# Altium PCB V3mycar.PcbDoc (part 2 of 4)
Units mil, origin at the board's own origin, x right, y up, seen from the top; angles counter-clockwise.
Board outline 5668.3 x 4141.25 mil, 2 copper layers (Top Layer, Bottom Layer); 227 components, 0 nets, 638 pads, 77 vias.
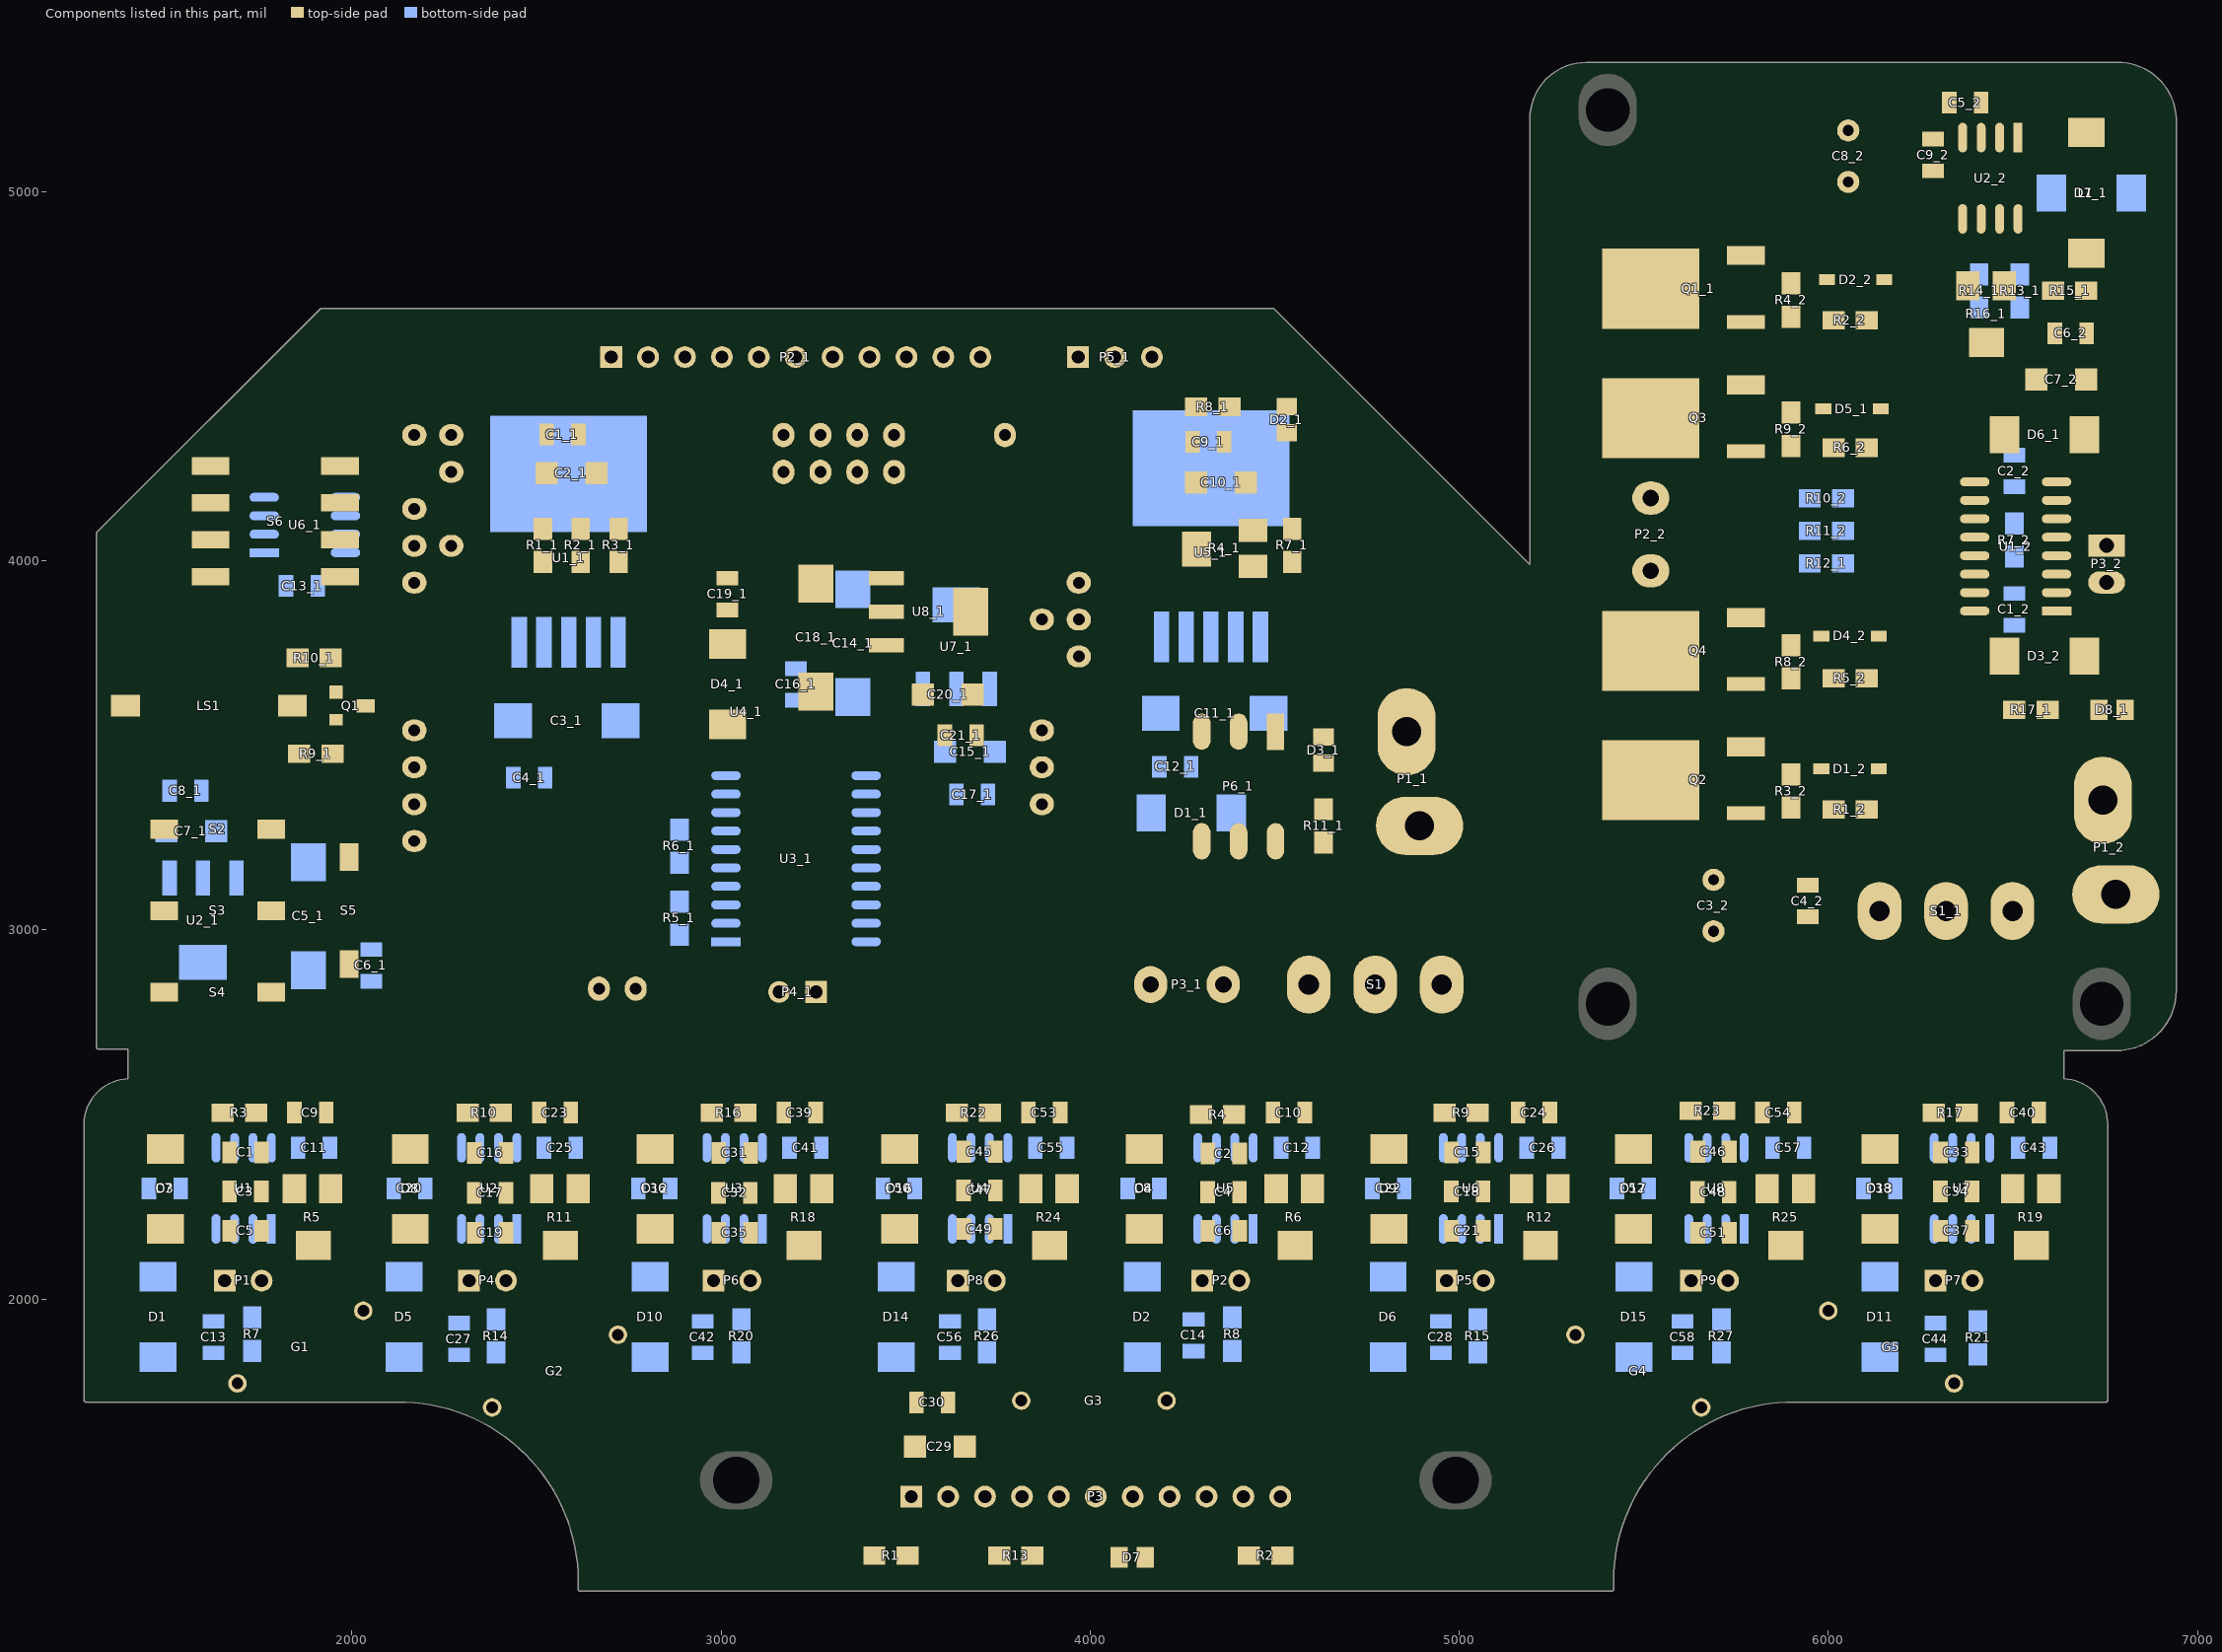
[diagram p2: the components of this part, seen from the top]

## Via types
v1: diameter 30, hole 20, Top Layer to Bottom Layer, 49 vias
v2: diameter 25, hole 18, Top Layer to Bottom Layer, 9 vias
v3: diameter 40, hole 30, Top Layer to Bottom Layer, 6 vias
v4: diameter 78.74, hole 39.37, Top Layer to Bottom Layer, 4 vias
v5: diameter 35, hole 20, Top Layer to Bottom Layer, 4 vias
v6: diameter 20, hole 15, Top Layer to Bottom Layer, 4 vias
v7: diameter 60, hole 30, Top Layer to Bottom Layer, 1 vias

## Nets (pads, with @x,y where several pads share a name; then routed paths per layer and width w, separated by ;. In a path a pad name is that pad's centre, name@x,y a point inside that pad or via, vN(x,y) a via of type N, cw(c..) or ccw(c..) an arc to the next point about the centre after c; other vN are vias at no path point) (continued)
copper on no net: (continued)
  Top Layer w1: 4604.09,4240.13 4609.09,4240.13 ; 4604.09,4241.13 4609.09,4241.13 ; 4604.09,4242.13 4608.09,4242.13 ; 4604.09,4243.13 4608.09,4243.13 ; 4604.09,4244.13 4608.09,4244.13 ; 4604.09,4245.13 4608.09,4245.13 ; 4604.09,4246.13 4608.09,4246.13 ; 4604.09,4247.13 4608.09,4247.13 ; 4604.09,4248.13 4608.09,4248.13 ; 4604.09,4249.13 4608.09,4249.13 ; 4604.09,4250.13 4608.09,4250.13 ; 4604.09,4251.13 4608.09,4251.13 ; 4604.09,4252.13 4608.09,4252.13 ; 4604.09,4253.13 4608.09,4253.13 ; 4604.09,4254.13 4608.09,4254.13 ; 4604.09,4255.13 4608.09,4255.13 ; 4604.09,4256.13 4608.09,4256.13 ; 4604.09,4257.13 4608.09,4257.13 ; 4604.09,4258.13 4608.09,4258.13 ; 4604.09,4259.13 4608.09,4259.13 ; 4604.09,4260.13 4609.09,4260.13 ; 4604.09,4261.13 4609.09,4261.13 ; 4605.09,4235.13 4610.09,4235.13 ; 4605.09,4236.13 4609.09,4236.13 ; 4605.09,4237.13 4609.09,4237.13 ; 4605.09,4238.13 4609.09,4238.13 ; 4605.09,4239.13 4609.09,4239.13 ; 4605.09,4262.13 4609.09,4262.13 ; 4605.09,4263.13 4609.09,4263.13 ; 4605.09,4264.13 4609.09,4264.13 ; 4605.09,4265.13 4609.09,4265.13 ; 4605.09,4266.13 4610.09,4266.13 ; 4606.09,4229.13 4611.09,4229.13 ; 4606.09,4230.13 4611.09,4230.13 ; 4606.09,4231.13 4610.09,4231.13 ; 4606.09,4232.13 4610.09,4232.13 ; 4606.09,4233.13 4610.09,4233.13 ; 4606.09,4234.13 4610.09,4234.13 ; 4606.09,4267.13 4610.09,4267.13 ; 4606.09,4268.13 4610.09,4268.13 ; 4606.09,4269.13 4610.09,4269.13 ; 4606.09,4270.13 4610.09,4270.13 ; 4606.09,4271.13 4611.09,4271.13 ; 4606.09,4272.13 4611.09,4272.13 ; 4607.09,4226.13 4612.09,4226.13 ; 4607.09,4227.13 4611.09,4227.13 ; 4607.09,4228.13 4611.09,4228.13 ; 4607.09,4273.13 4611.09,4273.13 ; 4607.09,4274.13 4611.09,4274.13 ; 4607.09,4275.13 4612.09,4275.13 ; 4608.09,4222.13 4613.09,4222.13 ; 4608.09,4223.13 4613.09,4223.13 ; 4608.09,4224.13 4612.09,4224.13 ; 4608.09,4225.13 4612.09,4225.13 ; 4608.09,4276.13 4612.09,4276.13 ; 4608.09,4277.13 4612.09,4277.13 ; 4608.09,4278.13 4612.09,4278.13 ; 4609.09,4220.13 4614.09,4220.13 ; 4609.09,4221.13 4613.09,4221.13 ; 4609.09,4279.13 4613.09,4279.13 ; 4609.09,4280.13 4613.09,4280.13 ; 4609.09,4281.13 4614.09,4281.13 ; 4610.09,4217.13 4615.09,4217.13 ; 4610.09,4218.13 4615.09,4218.13 ; 4610.09,4219.13 4614.09,4219.13 ; 4610.09,4282.13 4614.09,4282.13 ; 4610.09,4283.13 4615.09,4283.13 ; 4610.09,4284.13 4615.09,4284.13 ; 4611.09,4215.13 4616.09,4215.13 ; 4611.09,4216.13 4615.09,4216.13 ; 4611.09,4285.13 4615.09,4285.13 ; 4611.09,4286.13 4616.09,4286.13 ; 4612.09,4212.13 4617.09,4212.13 ; 4612.09,4213.13 4617.09,4213.13 ; 4612.09,4214.13 4617.09,4214.13 ; 4612.09,4287.13 4617.09,4287.13 ; 4612.09,4288.13 4617.09,4288.13 ; 4612.09,4289.13 4617.09,4289.13 ; 4613.09,4211.13 4618.09,4211.13 ; 4613.09,4290.13 4618.09,4290.13 ; 4614.09,4209.13 4619.09,4209.13 ; 4614.09,4210.13 4619.09,4210.13 ; 4614.09,4291.13 4619.09,4291.13 ; 4614.09,4292.13 4619.09,4292.13 ; 4615.09,4207.13 4620.09,4207.13 ; 4615.09,4208.13 4620.09,4208.13 ; 4615.09,4293.13 4619.09,4293.13 ; 4615.09,4294.13 4620.09,4294.13 ; 4616.09,4206.13 4621.09,4206.13 ; 4616.09,4295.13 4621.09,4295.13 ; 4616.09,4296.13 4621.09,4296.13 ; 4617.09,4204.13 4622.09,4204.13 ; 4617.09,4205.13 4621.09,4205.13 ; 4617.09,4236.13 4619.09,4236.13 ; 4617.09,4237.13 4623.09,4237.13 ; 4617.09,4297.13 4622.09,4297.13 ; 4618.09,4202.13 4623.09,4202.13 ; 4618.09,4203.13 4623.09,4203.13 ; 4618.09,4232.13 4621.09,4232.13 ; 4618.09,4233.13 4620.09,4233.13 ; 4618.09,4298.13 4623.09,4298.13 ; 4619.09,4201.13 4624.09,4201.13 ; 4619.09,4228.13 4626.09,4228.13 ; 4619.09,4234.13 4621.09,4234.13 ; 4619.09,4299.13 4623.09,4299.13 ; 4619.09,4300.13 4624.09,4300.13 ; 4620.09,4199.13 4626.09,4199.13 ; 4620.09,4200.13 4625.09,4200.13 ; 4620.09,4235.13 4621.09,4235.13 ; 4620.09,4301.13 4625.09,4301.13 ; 4620.09,4302.13 4626.09,4302.13 ; 4621.09,4198.13 4626.09,4198.13 ; 4621.09,4224.13 4622.09,4224.13 ; 4621.09,4225.13 4623.09,4225.13 ; 4621.09,4226.13 4625.09,4226.13 ; 4621.09,4227.13 4622.09,4227.13 ; 4621.09,4233.13 4624.09,4233.13 ; 4621.09,4236.13 4623.09,4236.13 ; 4621.09,4287.13 4624.09,4287.13 ; 4621.09,4303.13 4626.09,4303.13 ; 4622.09,4196.13 4628.09,4196.13 ; 4622.09,4197.13 4627.09,4197.13 ; 4622.09,4220.13 4624.09,4220.13 ; 4622.09,4304.13 4627.09,4304.13 ; 4623.09,4195.13 4629.09,4195.13 ; 4623.09,4221.13 4626.09,4221.13 ; 4623.09,4279.13 4624.09,4279.13 ; 4623.09,4280.13 4624.09,4280.13 ; 4623.09,4281.13 4625.09,4281.13 ; 4623.09,4282.13 4625.09,4282.13 ; 4623.09,4286.13 4627.09,4286.13 ; 4623.09,4305.13 4628.09,4305.13 ; 4623.09,4306.13 4629.09,4306.13 ; 4624.09,4194.13 4630.09,4194.13 ; 4624.09,4216.13 4626.09,4216.13 ; 4624.09,4217.13 4627.09,4217.13 ; 4624.09,4227.13 4626.09,4227.13 ; 4624.09,4283.13 4625.09,4283.13 ; 4624.09,4284.13 4626.09,4284.13 ; 4624.09,4285.13 4626.09,4285.13 ; 4624.09,4307.13 4630.09,4307.13 ; 4625.09,4193.13 4631.09,4193.13 ; 4625.09,4218.13 4626.09,4218.13 ; 4625.09,4219.13 4626.09,4219.13 ; 4625.09,4308.13 4630.09,4308.13 ; 4626.09,4192.13 4632.09,4192.13 ; 4626.09,4220.13 4628.09,4220.13 ; 4626.09,4222.13 4628.09,4222.13 ; 4626.09,4282.13 4629.09,4282.13 ; 4626.09,4283.13 4631.09,4283.13 ; 4626.09,4287.13 4627.09,4287.13 ; 4626.09,4309.13 4632.09,4309.13 ; 4627.09,4191.13 4633.09,4191.13 ; 4627.09,4211.13 4628.09,4211.13 ; 4627.09,4212.13 4628.09,4212.13 ; 4627.09,4213.13 4629.09,4213.13 ; 4627.09,4218.13 4630.09,4218.13 ; 4627.09,4221.13 4628.09,4221.13 ; 4627.09,4223.13 4628.09,4223.13 ; 4627.09,4279.13 4628.09,4279.13 ; 4627.09,4280.13 4634.09,4280.13 ; 4627.09,4281.13 4629.09,4281.13 ; 4627.09,4310.13 4633.09,4310.13 ; 4628.09,4190.13 4634.09,4190.13 ; 4628.09,4210.13 4630.09,4210.13 ; 4628.09,4214.13 4633.09,4214.13 ; 4628.09,4277.13 4630.09,4277.13 ; 4628.09,4278.13 4631.09,4278.13 ; 4628.09,4284.13 4631.09,4284.13 ; 4628.09,4285.13 4631.09,4285.13 ; 4628.09,4311.13 4634.09,4311.13 ; 4629.09,4189.13 4635.09,4189.13 ; 4629.09,4219.13 4630.09,4219.13 ; 4629.09,4276.13 4630.09,4276.13 ; 4629.09,4312.13 4635.09,4312.13 ; 4629.09,4313.13 4636.09,4313.13 ; 4630.09,4187.13 4637.09,4187.13 ; 4630.09,4188.13 4636.09,4188.13 ; 4630.09,4215.13 4632.09,4215.13 ; 4630.09,4279.13 4634.09,4279.13 ; 4630.09,4281.13 4632.09,4281.13 ; 4630.09,4282.13 4632.09,4282.13 ; 4630.09,4286.13 4632.09,4286.13 ; 4630.09,4314.13 4637.09,4314.13 ; 4631.09,4206.13 4632.09,4206.13 ; 4631.09,4287.13 4632.09,4287.13 ; 4632.09,4185.13 4639.09,4185.13 ; 4632.09,4186.13 4638.09,4186.13 ; 4632.09,4207.13 4635.09,4207.13 ; 4632.09,4211.13 4633.09,4211.13 ; 4632.09,4212.13 4633.09,4212.13 ; 4632.09,4213.13 4633.09,4213.13 ; 4632.09,4288.13 4635.09,4288.13 ; 4632.09,4315.13 4638.09,4315.13 ; 4632.09,4316.13 4639.09,4316.13 ; 4633.09,4203.13 4635.09,4203.13 ; 4633.09,4208.13 4635.09,4208.13 ; 4633.09,4283.13 4635.09,4283.13 ; 4633.09,4284.13 4635.09,4284.13 ; 4633.09,4287.13 4635.09,4287.13 ; 4634.09,4184.13 4640.09,4184.13 ; 4634.09,4204.13 4635.09,4204.13 ; 4634.09,4206.13 4635.09,4206.13 ; 4634.09,4238.13 4646.09,4238.13 ; 4634.09,4242.13 4654.09,4242.13 ; 4634.09,4243.13 4655.09,4243.13 ; 4634.09,4244.13 4658.09,4244.13 ; 4634.09,4245.13 4659.09,4245.13 ; 4634.09,4246.13 4661.09,4246.13 ; 4634.09,4247.13 4663.09,4247.13 ; 4634.09,4248.13 4665.09,4248.13 ; 4634.09,4249.13 4668.09,4249.13 ; 4634.09,4250.13 4669.09,4250.13 ; 4634.09,4251.13 4671.09,4251.13 ; 4634.09,4252.13 4673.09,4252.13 ; 4634.09,4253.13 4676.09,4253.13 ; 4634.09,4254.13 4677.09,4254.13 ; 4634.09,4255.13 4679.09,4255.13 ; 4634.09,4256.13 4681.09,4256.13 ; 4634.09,4257.13 4683.09,4257.13 ; 4634.09,4258.13 4685.09,4258.13 ; 4634.09,4259.13 4687.09,4259.13 ; 4634.09,4285.13 4635.09,4285.13 ; 4634.09,4286.13 4635.09,4286.13 ; 4634.09,4317.13 4641.09,4317.13 ; 4635.09,4183.13 4641.09,4183.13 ; 4635.09,4205.13 4637.09,4205.13 ; 4635.09,4209.13 4636.09,4209.13 ; 4635.09,4236.13 4695.09,4236.13 ; 4635.09,4237.13 4643.09,4237.13 ; 4635.09,4239.13 4648.09,4239.13 ; 4635.09,4240.13 4650.09,4240.13 ; 4635.09,4241.13 4651.09,4241.13 ; 4635.09,4260.13 4684.09,4260.13 ; 4635.09,4261.13 4683.09,4261.13 ; 4635.09,4262.13 4681.09,4262.13 ; 4635.09,4263.13 4679.09,4263.13 ; 4635.09,4264.13 4648.09,4264.13 ; 4635.09,4265.13 4649.09,4265.13 ; 4635.09,4318.13 4641.09,4318.13 ; 4636.09,4182.13 4643.09,4182.13 ; 4636.09,4200.13 4639.09,4200.13 ; 4636.09,4206.13 4638.09,4206.13 ; 4636.09,4233.13 4700.09,4233.13 ; 4636.09,4234.13 4699.09,4234.13 ; 4636.09,4235.13 4698.09,4235.13 ; 4636.09,4266.13 4652.09,4266.13 ; 4636.09,4267.13 4653.09,4267.13 ; 4636.09,4268.13 4655.09,4268.13 ; 4636.09,4269.13 4657.09,4269.13 ; 4636.09,4319.13 4643.09,4319.13 ; 4637.09,4181.13 4644.09,4181.13 ; 4637.09,4230.13 4704.09,4230.13 ; 4637.09,4231.13 4703.09,4231.13 ; 4637.09,4232.13 4702.09,4232.13 ; 4637.09,4270.13 4659.09,4270.13 ; 4637.09,4271.13 4661.09,4271.13 ; 4637.09,4272.13 4663.09,4272.13 ; 4637.09,4274.13 4638.09,4274.13 ; 4637.09,4320.13 4644.09,4320.13 ; 4638.09,4199.13 4641.09,4199.13 ; 4638.09,4201.13 4642.09,4201.13 ; 4638.09,4228.13 4706.09,4228.13 ; 4638.09,4229.13 4705.09,4229.13 ; 4638.09,4273.13 4665.09,4273.13 ; 4639.09,4180.13 4646.09,4180.13 ; 4639.09,4196.13 4640.09,4196.13 ; 4639.09,4197.13 4640.09,4197.13 ; 4639.09,4198.13 4641.09,4198.13 ; 4639.09,4225.13 4709.09,4225.13 ; 4639.09,4226.13 4708.09,4226.13 ; 4639.09,4227.13 4707.09,4227.13 ; 4639.09,4274.13 4667.09,4274.13 ; 4639.09,4275.13 4669.09,4275.13 ; 4639.09,4276.13 4671.09,4276.13 ; 4639.09,4278.13 4640.09,4278.13 ; 4639.09,4321.13 4646.09,4321.13 ; 4640.09,4179.13 4647.09,4179.13 ; 4640.09,4202.13 4642.09,4202.13 ; 4640.09,4224.13 4710.09,4224.13 ; 4640.09,4277.13 4673.09,4277.13 ; 4640.09,4322.13 4647.09,4322.13 ; 4641.09,4178.13 4649.09,4178.13 ; 4641.09,4200.13 4642.09,4200.13 ; 4641.09,4222.13 4711.09,4222.13 ; 4641.09,4223.13 4710.09,4223.13 ; 4641.09,4278.13 4675.09,4278.13 ; 4641.09,4279.13 4677.09,4279.13 ; 4641.09,4280.13 4679.09,4280.13 ; 4641.09,4323.13 4650.09,4323.13 ; 4642.09,4194.13 4643.09,4194.13 ; 4642.09,4220.13 4712.09,4220.13 ; 4642.09,4221.13 4712.09,4221.13 ; 4642.09,4281.13 4680.09,4281.13 ; 4642.09,4307.13 4644.09,4307.13 ; 4642.09,4310.13 4646.09,4310.13 ; 4643.09,4177.13 4650.09,4177.13 ; 4643.09,4195.13 4644.09,4195.13 ; 4643.09,4218.13 4714.09,4218.13 ; 4643.09,4219.13 4713.09,4219.13 ; 4643.09,4282.13 4683.09,4282.13 ; 4643.09,4283.13 4684.09,4283.13 ; 4643.09,4306.13 4644.09,4306.13 ; 4643.09,4308.13 4646.09,4308.13 ; 4643.09,4311.13 4645.09,4311.13 ; 4643.09,4324.13 4650.09,4324.13 ; 4644.09,4176.13 4652.09,4176.13 ; 4644.09,4196.13 4647.09,4196.13 ; 4644.09,4197.13 4647.09,4197.13 ; 4644.09,4217.13 4715.09,4217.13 ; 4644.09,4284.13 4687.09,4284.13 ; 4644.09,4305.13 4648.09,4305.13 ; 4644.09,4309.13 4646.09,4309.13 ; 4644.09,4325.13 4652.09,4325.13 ; 4645.09,4191.13 4647.09,4191.13 ; 4645.09,4192.13 4648.09,4192.13 ; 4645.09,4193.13 4646.09,4193.13 ; 4645.09,4216.13 4715.09,4216.13 ; 4645.09,4237.13 4694.09,4237.13 ; 4645.09,4285.13 4688.09,4285.13 ; 4645.09,4304.13 4648.09,4304.13 ; 4645.09,4306.13 4647.09,4306.13 ; 4645.09,4307.13 4646.09,4307.13 ; 4646.09,4175.13 4655.09,4175.13 ; 4646.09,4195.13 4647.09,4195.13 ; 4646.09,4214.13 4717.09,4214.13 ; 4646.09,4215.13 4716.09,4215.13 ; 4646.09,4286.13 4691.09,4286.13 ; 4646.09,4287.13 4692.09,4287.13 ; 4646.09,4301.13 4650.09,4301.13 ; 4646.09,4302.13 4648.09,4302.13 ; 4646.09,4303.13 4647.09,4303.13 ; 4646.09,4326.13 4654.09,4326.13 ; 4647.09,4174.13 4656.09,4174.13 ; 4647.09,4193.13 4648.09,4193.13 ; 4647.09,4213.13 4717.09,4213.13 ; 4647.09,4288.13 4695.09,4288.13 ; 4647.09,4327.13 4656.09,4327.13 ; 4648.09,4194.13 4649.09,4194.13 ; 4648.09,4212.13 4717.09,4212.13 ; 4648.09,4289.13 4697.09,4289.13 ; 4648.09,4303.13 4651.09,4303.13 ; 4648.09,4306.13 4651.09,4306.13 ; 4649.09,4173.13 4659.09,4173.13 ; 4649.09,4195.13 4650.09,4195.13 ; 4649.09,4211.13 4718.09,4211.13 ; 4649.09,4238.13 4691.09,4238.13 ; 4649.09,4290.13 4722.09,4290.13 ; 4649.09,4302.13 4650.09,4302.13 ; 4649.09,4304.13 4651.09,4304.13 ; 4649.09,4305.13 4651.09,4305.13 ; 4649.09,4328.13 4659.09,4328.13 ; 4650.09,4172.13 4660.09,4172.13 ; 4650.09,4188.13 4651.09,4188.13 ; 4650.09,4189.13 4651.09,4189.13 ; 4650.09,4190.13 4651.09,4190.13 ; 4650.09,4191.13 4652.09,4191.13 ; 4650.09,4209.13 4683.09,4209.13 ; 4650.09,4210.13 4719.09,4210.13 ; 4650.09,4291.13 4724.09,4291.13 ; 4650.09,4292.13 4736.09,4292.13 ; 4650.09,4329.13 4660.09,4329.13 ; 4651.09,4187.13 4652.09,4187.13 ; 4651.09,4192.13 4655.09,4192.13 ; 4652.09,4186.13 4654.09,4186.13 ; 4652.09,4189.13 4654.09,4189.13 ; 4652.09,4207.13 4683.09,4207.13 ; 4652.09,4208.13 4682.09,4208.13 ; 4652.09,4239.13 4689.09,4239.13 ; 4652.09,4264.13 4675.09,4264.13 ; 4652.09,4293.13 4735.09,4293.13 ; 4652.09,4294.13 4734.09,4294.13 ; 4653.09,4171.13 4663.09,4171.13 ; 4653.09,4187.13 4655.09,4187.13 ; 4653.09,4188.13 4655.09,4188.13 ; 4653.09,4330.13 4663.09,4330.13 ; 4654.09,4206.13 4683.09,4206.13 ; 4654.09,4295.13 4732.09,4295.13 ; 4654.09,4296.13 4732.09,4296.13 ; 4655.09,4170.13 4666.09,4170.13 ; 4655.09,4190.13 4656.09,4190.13 ; 4655.09,4191.13 4656.09,4191.13 ; 4655.09,4205.13 4683.09,4205.13 ; 4655.09,4331.13 4666.09,4331.13 ; 4656.09,4204.13 4682.09,4204.13 ; 4656.09,4265.13 4672.09,4265.13 ; 4656.09,4297.13 4730.09,4297.13 ; 4657.09,4169.13 4670.09,4169.13 ; 4657.09,4203.13 4682.09,4203.13 ; 4657.09,4298.13 4729.09,4298.13 ; 4657.09,4332.13 4670.09,4332.13 ; 4658.09,4240.13 4685.09,4240.13 ; 4659.09,4168.13 4672.09,4168.13 ; 4659.09,4202.13 4729.09,4202.13 ; 4659.09,4299.13 4728.09,4299.13 ; 4659.09,4333.13 4672.09,4333.13 ; 4660.09,4182.13 4661.09,4182.13 ; 4660.09,4201.13 4727.09,4201.13 ; 4660.09,4300.13 4727.09,4300.13 ; 4661.09,4183.13 4662.09,4183.13 ; 4661.09,4184.13 4664.09,4184.13 ; 4662.09,4167.13 4678.09,4167.13 ; 4662.09,4185.13 4663.09,4185.13 ; 4662.09,4186.13 4663.09,4186.13 ; 4662.09,4200.13 4725.09,4200.13 ; 4662.09,4301.13 4724.09,4301.13 ; 4662.09,4334.13 4678.09,4334.13 ; 4663.09,4199.13 4723.09,4199.13 ; 4663.09,4302.13 4723.09,4302.13 ; 4664.09,4166.13 4684.09,4166.13 ; 4664.09,4181.13 4665.09,4181.13 ; 4664.09,4182.13 4666.09,4182.13 ; 4664.09,4183.13 4666.09,4183.13 ; 4664.09,4241.13 4680.09,4241.13 ; 4664.09,4335.13 4684.09,4335.13 ; 4665.09,4184.13 4666.09,4184.13 ; 4665.09,4198.13 4722.09,4198.13 ; 4665.09,4303.13 4722.09,4303.13 ; 4666.09,4185.13 4667.09,4185.13 ; 4667.09,4165.13 4720.09,4165.13 ; 4667.09,4197.13 4719.09,4197.13 ; 4668.09,4179.13 4669.09,4179.13 ; 4668.09,4180.13 4671.09,4180.13 ; 4668.09,4304.13 4720.09,4304.13 ; 4668.09,4315.13 4670.09,4315.13 ; 4668.09,4316.13 4670.09,4316.13 ; 4668.09,4336.13 4719.09,4336.13 ; 4669.09,4181.13 4670.09,4181.13 ; 4669.09,4196.13 4717.09,4196.13 ; 4669.09,4305.13 4717.09,4305.13 ; 4670.09,4179.13 4673.09,4179.13 ; 4670.09,4182.13 4671.09,4182.13 ; 4670.09,4317.13 4675.09,4317.13 ; 4670.09,4318.13 4675.09,4318.13 ; 4670.09,4321.13 4674.09,4321.13 ; 4670.09,4322.13 4674.09,4322.13 ; 4670.09,4326.13 4673.09,4326.13 ; 4671.09,4164.13 4716.09,4164.13 ; 4671.09,4183.13 4673.09,4183.13 ; 4671.09,4316.13 4673.09,4316.13 ; 4671.09,4319.13 4675.09,4319.13 ; 4671.09,4320.13 4675.09,4320.13 ; 4671.09,4323.13 4673.09,4323.13 ; 4671.09,4324.13 4672.09,4324.13 ; 4671.09,4325.13 4673.09,4325.13 ; 4672.09,4177.13 4673.09,4177.13 ; 4672.09,4178.13 4673.09,4178.13 ; 4672.09,4180.13 4673.09,4180.13 ; 4672.09,4181.13 4673.09,4181.13 ; 4672.09,4182.13 4673.09,4182.13 ; 4672.09,4195.13 4714.09,4195.13 ; 4672.09,4306.13 4715.09,4306.13 ; 4672.09,4315.13 4673.09,4315.13 ; 4672.09,4337.13 4715.09,4337.13 ; 4674.09,4194.13 4712.09,4194.13 ; 4674.09,4307.13 4712.09,4307.13 ; 4674.09,4315.13 4676.09,4315.13 ; 4674.09,4316.13 4675.09,4316.13 ; 4674.09,4338.13 4712.09,4338.13 ; 4675.09,4163.13 4712.09,4163.13 ; 4675.09,4321.13 4679.09,4321.13 ; 4675.09,4326.13 4678.09,4326.13 ; 4676.09,4176.13 4677.09,4176.13 ; 4676.09,4177.13 4677.09,4177.13 ; 4676.09,4178.13 4677.09,4178.13 ; 4676.09,4179.13 4677.09,4179.13 ; 4676.09,4318.13 4677.09,4318.13 ; 4676.09,4319.13 4679.09,4319.13 ; 4676.09,4322.13 4679.09,4322.13 ; 4677.09,4181.13 4679.09,4181.13 ; 4677.09,4182.13 4679.09,4182.13 ; 4677.09,4320.13 4679.09,4320.13 ; 4677.09,4323.13 4679.09,4323.13 ; 4677.09,4325.13 4678.09,4325.13 ; 4678.09,4179.13 4679.09,4179.13 ; 4678.09,4180.13 4679.09,4180.13 ; 4678.09,4324.13 4679.09,4324.13 ; 4679.09,4176.13 4681.09,4176.13 ; 4679.09,4177.13 4680.09,4177.13 ; 4679.09,4178.13 4680.09,4178.13 ; 4679.09,4193.13 4708.09,4193.13 ; 4679.09,4308.13 4708.09,4308.13 ; 4679.09,4317.13 4683.09,4317.13 ; 4681.09,4162.13 4706.09,4162.13 ; 4681.09,4178.13 4682.09,4178.13 ; 4681.09,4179.13 4682.09,4179.13 ; 4681.09,4180.13 4682.09,4180.13 ; 4681.09,4181.13 4682.09,4181.13 ; 4681.09,4318.13 4684.09,4318.13 ; 4681.09,4339.13 4705.09,4339.13 ; 4682.09,4192.13 4704.09,4192.13 ; 4683.09,4309.13 4706.09,4309.13 ; 4684.09,4177.13 4686.09,4177.13 ; 4684.09,4178.13 4686.09,4178.13 ; 4684.09,4204.13 4690.09,4204.13 ; 4684.09,4205.13 4688.09,4205.13 ; 4684.09,4206.13 4688.09,4206.13 ; 4684.09,4207.13 4687.09,4207.13 ; 4684.09,4208.13 4688.09,4208.13 ; 4684.09,4209.13 4688.09,4209.13 ; 4685.09,4176.13 4686.09,4176.13 ; 4685.09,4179.13 4686.09,4179.13 ; 4685.09,4180.13 4690.09,4180.13 ; 4685.09,4203.13 4689.09,4203.13 ; 4686.09,4175.13 4690.09,4175.13 ; 4686.09,4260.13 4689.09,4260.13 ; 4687.09,4261.13 4691.09,4261.13 ; 4688.09,4176.13 4690.09,4176.13 ; 4688.09,4177.13 4690.09,4177.13 ; 4689.09,4179.13 4690.09,4179.13 ; 4689.09,4207.13 4691.09,4207.13 ; 4689.09,4208.13 4691.09,4208.13 ; 4690.09,4205.13 4691.09,4205.13 ; 4690.09,4206.13 4691.09,4206.13 ; 4690.09,4262.13 4693.09,4262.13 ; 4691.09,4161.13 4692.09,4161.13 ; 4691.09,4203.13 4697.09,4203.13 ; 4691.09,4209.13 4696.09,4209.13 ; 4691.09,4263.13 4695.09,4263.13 ; 4692.09,4204.13 4697.09,4204.13 ; 4692.09,4205.13 4698.09,4205.13 ; 4692.09,4208.13 4695.09,4208.13 ; 4693.09,4175.13 4695.09,4175.13 ; 4693.09,4176.13 4697.09,4176.13 ; 4693.09,4177.13 4696.09,4177.13 ; 4693.09,4178.13 4696.09,4178.13 ; 4693.09,4179.13 4697.09,4179.13 ; 4693.09,4180.13 4694.09,4180.13 ; 4693.09,4190.13 4694.09,4190.13 ; 4693.09,4206.13 4697.09,4206.13 ; 4693.09,4207.13 4695.09,4207.13 ; 4693.09,4340.13 4694.09,4340.13 ; 4694.09,4161.13 4695.09,4161.13 ; 4694.09,4264.13 4697.09,4264.13 ; 4695.09,4265.13 4699.09,4265.13 ; 4696.09,4175.13 4698.09,4175.13 ; 4696.09,4180.13 4697.09,4180.13 ; 4696.09,4207.13 4704.09,4207.13 ; 4698.09,4208.13 4701.09,4208.13 ; 4698.09,4266.13 4701.09,4266.13 ; 4698.09,4286.13 4714.09,4286.13 ; 4698.09,4287.13 4716.09,4287.13 ; 4698.09,4289.13 4720.09,4289.13 ; 4699.09,4203.13 4701.09,4203.13 ; 4699.09,4204.13 4702.09,4204.13 ; 4699.09,4206.13 4704.09,4206.13 ; 4699.09,4209.13 4702.09,4209.13 ; 4699.09,4267.13 4703.09,4267.13 ; 4699.09,4268.13 4704.09,4268.13 ; 4699.09,4269.13 4707.09,4269.13 ; 4699.09,4270.13 4708.09,4270.13 ; 4699.09,4271.13 4701.09,4271.13 ; 4699.09,4272.13 4700.09,4272.13 ; 4699.09,4273.13 4700.09,4273.13 ; 4699.09,4274.13 4700.09,4274.13 ; 4699.09,4275.13 4700.09,4275.13 ; 4699.09,4276.13 4700.09,4276.13 ; 4699.09,4277.13 4700.09,4277.13 ; 4699.09,4278.13 4701.09,4278.13 ; 4699.09,4279.13 4701.09,4279.13 ; 4699.09,4280.13 4702.09,4280.13 ; 4699.09,4281.13 4704.09,4281.13 ; 4699.09,4282.13 4706.09,4282.13 ; 4699.09,4283.13 4708.09,4283.13 ; 4699.09,4284.13 4710.09,4284.13 ; 4699.09,4285.13 4712.09,4285.13 ; 4699.09,4288.13 4718.09,4288.13 ; 4700.09,4205.13 4703.09,4205.13 ; 4701.09,4176.13 4702.09,4176.13 ; 4701.09,4177.13 4702.09,4177.13 ; 4701.09,4178.13 4702.09,4178.13 ; 4701.09,4179.13 4702.09,4179.13 ; 4701.09,4180.13 4702.09,4180.13 ; 4702.09,4181.13 4704.09,4181.13 ; 4702.09,4203.13 4703.09,4203.13 ; 4702.09,4208.13 4704.09,4208.13 ; 4703.09,4166.13 4722.09,4166.13 ; 4703.09,4175.13 4704.09,4175.13 ; 4703.09,4204.13 4705.09,4204.13 ; 4703.09,4335.13 4722.09,4335.13 ; 4704.09,4180.13 4706.09,4180.13 ; 4705.09,4176.13 4706.09,4176.13 ; 4705.09,4177.13 4706.09,4177.13 ; 4705.09,4178.13 4706.09,4178.13 ; 4705.09,4179.13 4706.09,4179.13 ; 4705.09,4205.13 4732.09,4205.13 ; 4705.09,4209.13 4719.09,4209.13 ; 4706.09,4203.13 4729.09,4203.13 